# KiCad board LLTB.kicad_pcb
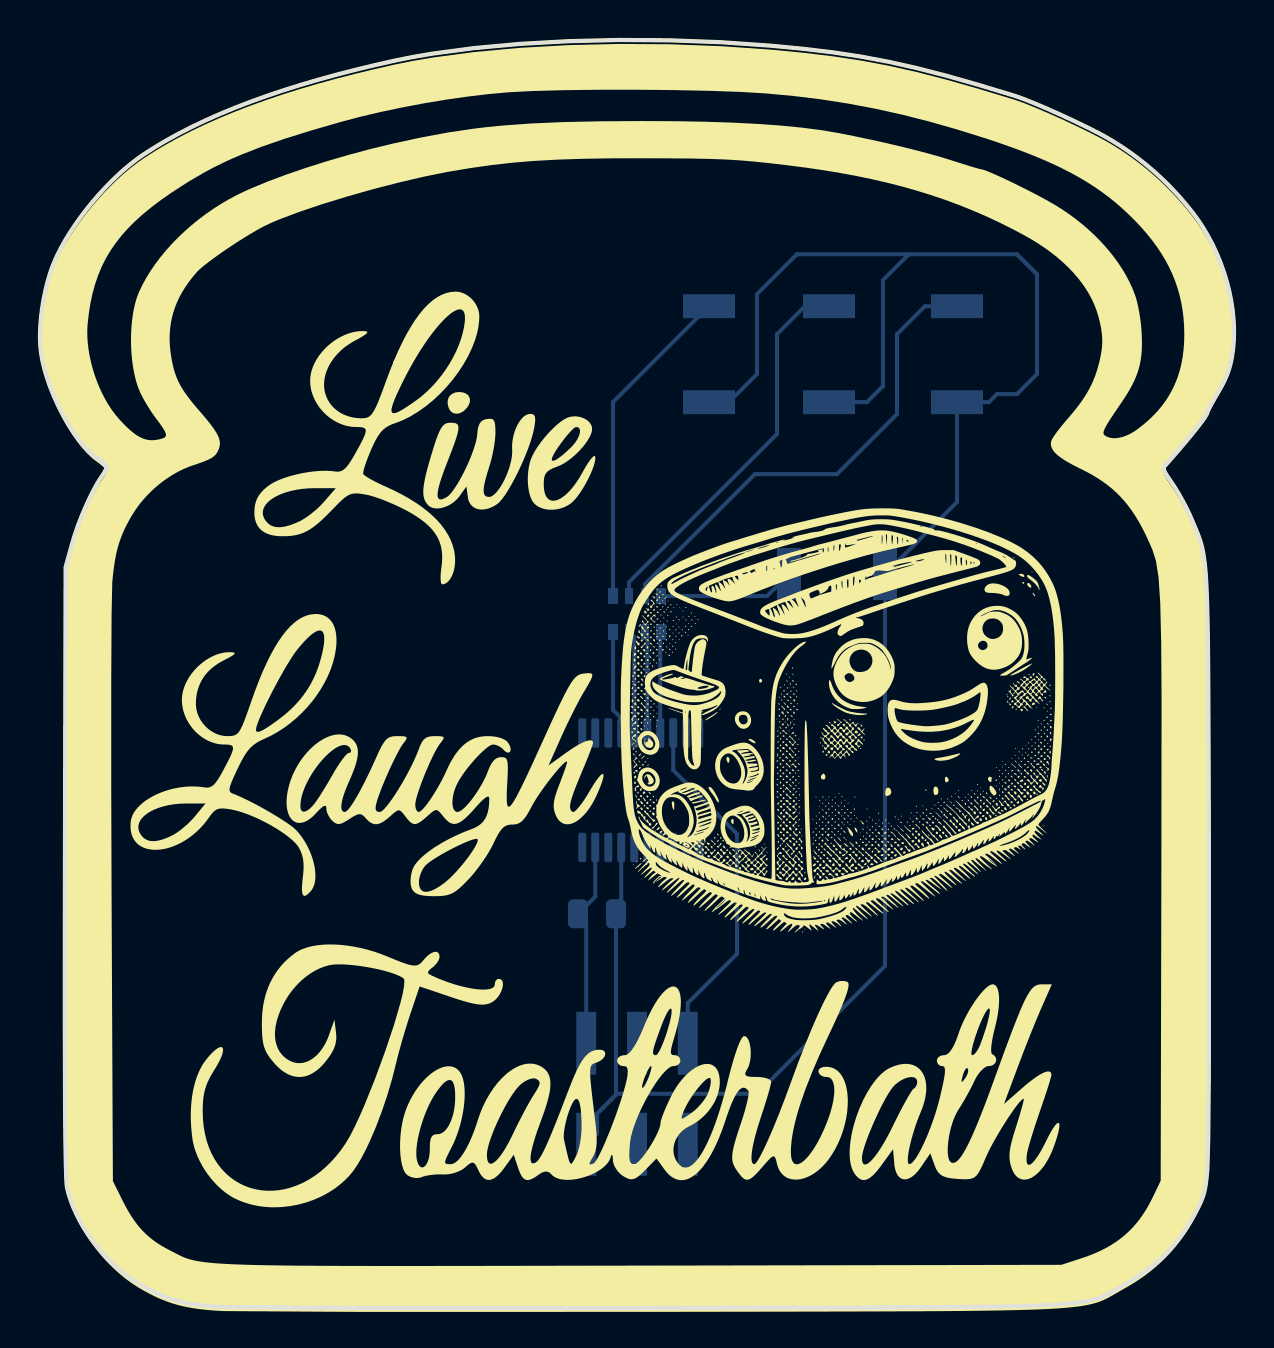
[diagram p0: board, top side]
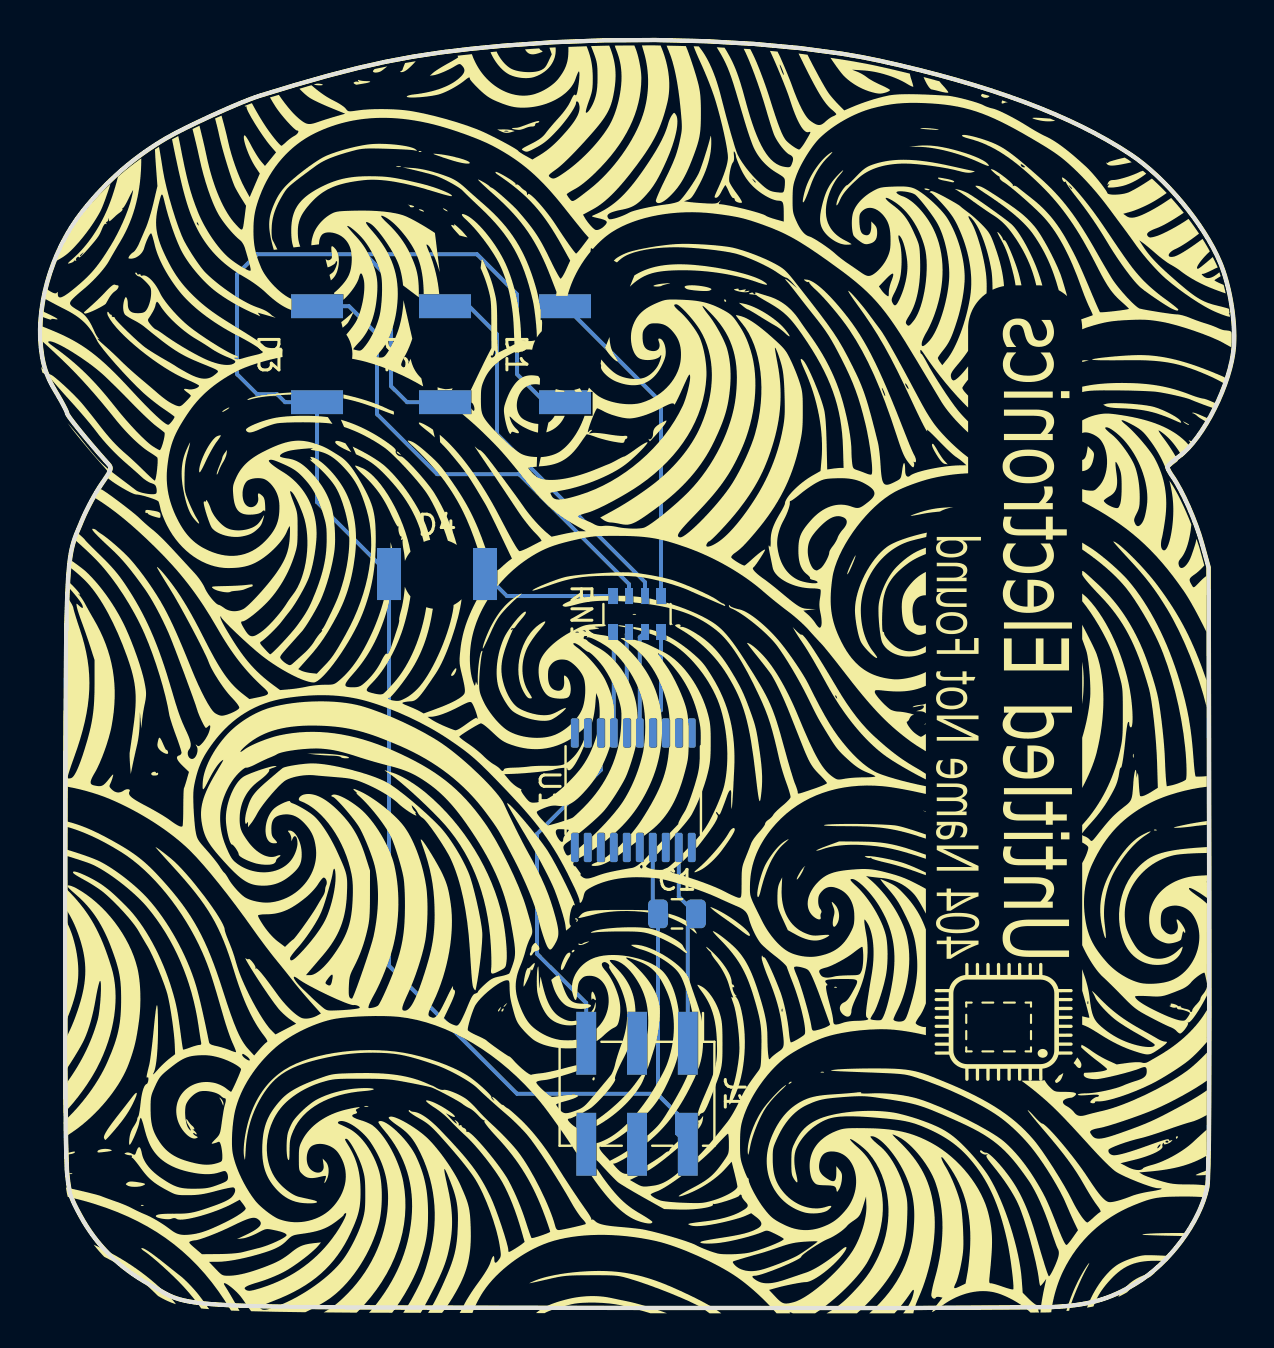
[diagram p1: board, bottom side, seen from below]

Outline 59.7 x 63.44 mm; copper layers: Top, Bottom. Coordinates in mm from the lower left corner of the outline.
Outline path: 31.49,63.42 34.05,63.33 36.57,63.15 38.19,62.99 39.67,62.82 41.07,62.6 42.44,62.35 43.84,62.03 45.32,61.65 46.95,61.19 48.77,60.63 49.19,60.49 49.74,60.27 50.37,59.99 51.06,59.69 51.75,59.37 52.4,59.05 52.97,58.76 53.42,58.51 53.72,58.33 54.02,58.14 54.31,57.95 54.59,57.75 54.87,57.55 55.14,57.34 55.4,57.12 55.67,56.9 55.92,56.67 56.17,56.43 56.42,56.19 56.66,55.94 56.9,55.68 57.13,55.41 57.36,55.14 57.59,54.86 57.88,54.47 58.15,54.06 58.4,53.64 58.64,53.2 58.85,52.75 59.03,52.29 59.2,51.82 59.35,51.35 59.47,50.87 59.56,50.39 59.64,49.92 59.68,49.44 59.7,48.97 59.7,48.51 59.67,48.06 59.61,47.62 59.59,47.5 59.56,47.38 59.54,47.27 59.51,47.15 59.48,47.04 59.45,46.94 59.41,46.83 59.37,46.72 59.33,46.62 59.28,46.51 59.23,46.4 59.18,46.29 59.12,46.18 59.05,46.06 58.91,45.82 58.8,45.63 58.7,45.45 58.6,45.28 58.52,45.13 58.45,45 58.4,44.89 58.37,44.81 58.35,44.73 58.31,44.67 58.25,44.58 58.18,44.48 57.97,44.21 57.71,43.88 57.4,43.5 57.06,43.1 56.7,42.69 56.47,41.47 56.65,41.21 56.76,41.03 56.89,40.82 57.02,40.59 57.15,40.36 57.28,40.11 57.4,39.88 57.51,39.65 57.6,39.44 57.88,38.77 57.94,38.62 57.99,38.47 58.04,38.31 58.08,38.15 58.13,37.98 58.16,37.79 58.2,37.58 58.23,37.35 58.26,37.09 58.28,36.8 58.31,36.48 58.33,36.13 58.36,35.29 58.38,34.27 58.4,33.02 58.42,31.53 58.43,27.68 58.45,22.5 58.45,11.85 58.42,8.49 58.37,6.91 58.33,6.52 58.31,6.35 58.29,6.2 58.27,6.06 58.25,5.92 58.22,5.8 58.18,5.68 58.15,5.56 58.1,5.45 58.05,5.33 58,5.2 57.93,5.07 57.86,4.93 57.69,4.6 57.53,4.33 57.37,4.07 57.2,3.82 57.03,3.57 56.84,3.33 56.65,3.1 56.44,2.88 56.23,2.66 56.01,2.45 55.79,2.25 55.55,2.05 55.3,1.86 55.05,1.68 54.79,1.51 54.51,1.34 54.23,1.18 53.54,0.78 53.39,0.7 53.23,0.62 53.07,0.55 52.89,0.48 52.7,0.43 52.48,0.37 52.24,0.32 51.96,0.28 51.64,0.24 51.27,0.21 50.86,0.18 50.39,0.15 49.86,0.12 49.26,0.1 47.85,0.07 46.1,0.05 43.99,0.03 41.46,0.02 38.48,0.02 30.97,0 16.28,0 9.19,0.04 8.84,0.06 8.51,0.09 8.2,0.12 7.91,0.15 7.63,0.19 7.36,0.24 7.1,0.3 6.85,0.36 6.6,0.44 6.36,0.52 6.13,0.61 5.89,0.71 5.65,0.82 5.41,0.95 5.17,1.08 4.92,1.23 4.6,1.43 4.3,1.65 4,1.89 3.7,2.16 3.42,2.44 3.15,2.73 2.89,3.04 2.64,3.35 2.41,3.68 2.2,4.01 2,4.35 1.82,4.69 1.67,5.03 1.54,5.37 1.43,5.7 1.35,6.03 1.33,6.17 1.32,6.41 1.29,7.2 1.27,8.43 1.25,10.11 1.24,14.95 1.25,21.88 1.28,37.06 1.61,38.25 1.74,38.69 1.91,39.16 2.09,39.63 2.29,40.1 2.49,40.54 2.7,40.96 2.91,41.32 3.01,41.48 3.15,41.69 3.19,41.76 3.23,41.83 3.27,41.89 2.78,42.58 2.67,42.67 2.55,42.77 2.31,43 2.08,43.27 1.85,43.56 1.62,43.89 1.4,44.24 1.18,44.61 0.98,45 0.79,45.39 0.62,45.8 0.46,46.2 0.33,46.61 0.21,47.01 0.12,47.4 0.05,47.77 0.02,48.13 0,48.37 0,48.63 0.01,48.89 0.02,49.16 0.04,49.43 0.07,49.71 0.1,49.99 0.15,50.27 0.2,50.54 0.25,50.82 0.32,51.09 0.38,51.36 0.46,51.62 0.54,51.86 0.62,52.1 0.71,52.33 0.87,52.69 1.06,53.06 1.27,53.43 1.5,53.81 1.75,54.19 2.02,54.56 2.3,54.93 2.6,55.3 2.9,55.66 3.22,56 3.54,56.34 3.87,56.65 4.2,56.95 4.53,57.23 4.86,57.49 5.19,57.72 5.75,58.07 6.34,58.42 6.96,58.77 7.61,59.1 8.29,59.42 8.99,59.73 9.73,60.04 10.5,60.34 11.3,60.63 12.13,60.91 12.99,61.18 13.87,61.44 14.79,61.69 15.74,61.94 16.72,62.17 17.74,62.4 18.65,62.59 19.62,62.75 21.73,63.03 24.01,63.24 26.43,63.38 28.94,63.44 closed

## Placement (name value [footprint] x y rotation side)
C1  C_Small  [C_0805_2012Metric]  27.85 19.72 180 bottom
D1  LED_Small  [T776-ReverseMountLED]  33.45 47.72 270 bottom
D2  LED_Small  [T776-ReverseMountLED]  39.45 47.72 270 bottom
D3  LED_Small  [T776-ReverseMountLED]  45.85 47.72 270 bottom
D4  LED_Small  [T776-ReverseMountLED]  39.85 36.72 0 bottom
J1  Conn_02x03_Odd_Even  [PinHeader_2x03_P2.54mm_Vertical_SMD]  29.85 10.72 270 bottom
RN1  R_Pack04  [R_Array_Convex_4x0603]  29.85 34.72 90 bottom
U1  CH32V003FxPx  [TSSOP-20_4.4x6.5mm_P0.65mm]  30.04 25.91 90 bottom

## Library data of the parts
C1 = -: Description: Unpolarized capacitor, small symbol; ki_fp_filters: C_*
D1-D4 = -: Description: Light emitting diode, small symbol; ki_fp_filters: LED* LED_SMD:* LED_THT:*
J1 = -: Description: Generic connector, double row, 02x03, odd/even pin numbering scheme (row 1 odd numbers, row 2 even numbers), script generated (kicad-library-utils/schlib/autogen/connector/); ki_fp_filters: Connector*:*_2x??_*
RN1 = -: Description: 4 resistor network, parallel topology; ki_fp_filters: DIP* SOIC* R*Array*Concave* R*Array*Convex*
U1 = -: Datasheet: https://www.wch-ic.com/products/CH32V003.html; Description: CH32V003 series are industrial-grade general-purpose microcontrollers designed based on 32-bit RISC-V instruction set and architecture. It adopts QingKe V2A core, RV32EC instruction set, and supports 2 levels of interrupt nesting. The series are mounted with rich peripheral interfaces and function modules. Its internal organizational structure meets the low-cost and low-power embedded application scenarios.; ki_fp_filters: TSSOP*4.4x6.5mm*P0.65mm*

## Footprints (pads in the part's own frame, mm; a bottom-side part is the same pattern mirrored in y, then rotated)
C_0805_2012Metric
  rrect 1x1.45 smd: 1(-0.95,0) 2(0.95,0)
PinHeader_2x03_P2.54mm_Vertical_SMD
  rect 3.15x1 smd: 1(-2.525,2.54) 2(2.525,2.54) 3(-2.525,0) 4(2.525,0) 5(-2.525,-2.54) 6(2.525,-2.54)
R_Array_Convex_4x0603
  rect 0.8x0.5 smd: 1(-0.9,1.2) 4(-0.9,-1.2) 5(0.9,-1.2) 8(0.9,1.2)
  rect 0.8x0.4 smd: 2(-0.9,0.4) 3(-0.9,-0.4) 6(0.9,-0.4) 7(0.9,0.4)
T776-ReverseMountLED
  round 3.5 smd: (0,0)
  rect 1.2x2.6 smd: 1(2.4,0) 2(-2.4,0)
TSSOP-20_4.4x6.5mm_P0.65mm
  rrect 1.475x0.4 smd: 1(-2.862,2.925) 2(-2.862,2.275) 3(-2.862,1.625) 4(-2.862,0.975) 5(-2.862,0.325) 6(-2.862,-0.325) 7(-2.862,-0.975) 8(-2.862,-1.625) 9(-2.862,-2.275) 10(-2.862,-2.925) 11(2.862,-2.925) 12(2.862,-2.275) 13(2.862,-1.625) 14(2.862,-0.975) 15(2.862,-0.325) 16(2.862,0.325) 17(2.862,0.975) 18(2.862,1.625) 19(2.862,2.275) 20(2.862,2.925)

## Nets
VCC: C1.2 J1.1 U1.9
VSS: C1.1 D1.1 D2.1 D3.1 D4.1 J1.2 U1.7
A: RN1.4 U1.14
B: RN1.3 U1.15
C: RN1.2 U1.16
D: RN1.1 U1.17
SCL: U1.12
SDA: U1.11
SWIO: J1.5 U1.18
Net-(D1-A): D1.2 RN1.5
Net-(D2-A): D2.2 RN1.6
Net-(D3-A): D3.2 RN1.7
Net-(D4-A): D4.2 RN1.8

Pads without a net: J1 3 4 6; U1 1 2 3 4 5 6 8 10 13 19 20

## Routing (per net, layer and track width the routed paths; a pad name or vN(x,y) marks a point on that pad's centre or on a via; arc(x,y) is an arc through that point)
VCC: length 10.3
  Bottom w0.2: J1.1 27.31,19.31 C1.2 27.76,20.58 U1.9
VSS: length 104.7
  Bottom w0.2: 27.85,9.72 28.8,10.67 C1.1 29.06,19.98 U1.7 ; 27.85,9.72 28.85,10.72 35.85,10.72 42.25,17.12 D4.1 45.85,40.32 D3.1 47.45,45.32 47.85,45.72 48.85,45.72 49.85,46.72 49.85,51.72 48.85,52.72 43.45,52.72 ; 27.85,9.72 27.85,8.73 J1.2 ; D2.1 41.35,45.32 42.15,46.12 42.15,51.42 43.45,52.72 ; 43.45,52.72 37.85,52.72 35.85,50.72 35.85,46.72 34.45,45.32 D1.1
A: length 5.2
  Bottom w0.2: U1.14 29.06,29.51 28.65,29.92 RN1.4
B: length 5.2
  Bottom w0.2: RN1.3 29.71,33.56 U1.15
C: length 5.1
  Bottom w0.2: U1.16 30.36,33.71 RN1.2
D: length 5.1
  Bottom w0.2: RN1.1 31.01,33.78 U1.17
SWIO: length 17.9
  Bottom w0.2: U1.18 31.66,26.91 34.85,23.72 34.85,17.72 32.39,15.26 J1.5
Net-(D1-A): length 16.5
  Bottom w0.2: D1.2 28.65,45.32 RN1.5
Net-(D2-A): length 19.3
  Bottom w0.2: RN1.6 29.45,36.32 36.85,43.72 36.85,48.72 38.25,50.12 D2.2
Net-(D3-A): length 24.3
  Bottom w0.2: D3.2 44.25,50.12 42.85,48.72 42.85,44.72 39.85,41.72 35.75,41.72 30.25,36.22 RN1.7
Net-(D4-A): length 6.9
  Bottom w0.2: D4.2 36.35,35.62 RN1.8
